# Altium PCB Main.PcbDoc (part 3 of 3) (continued)
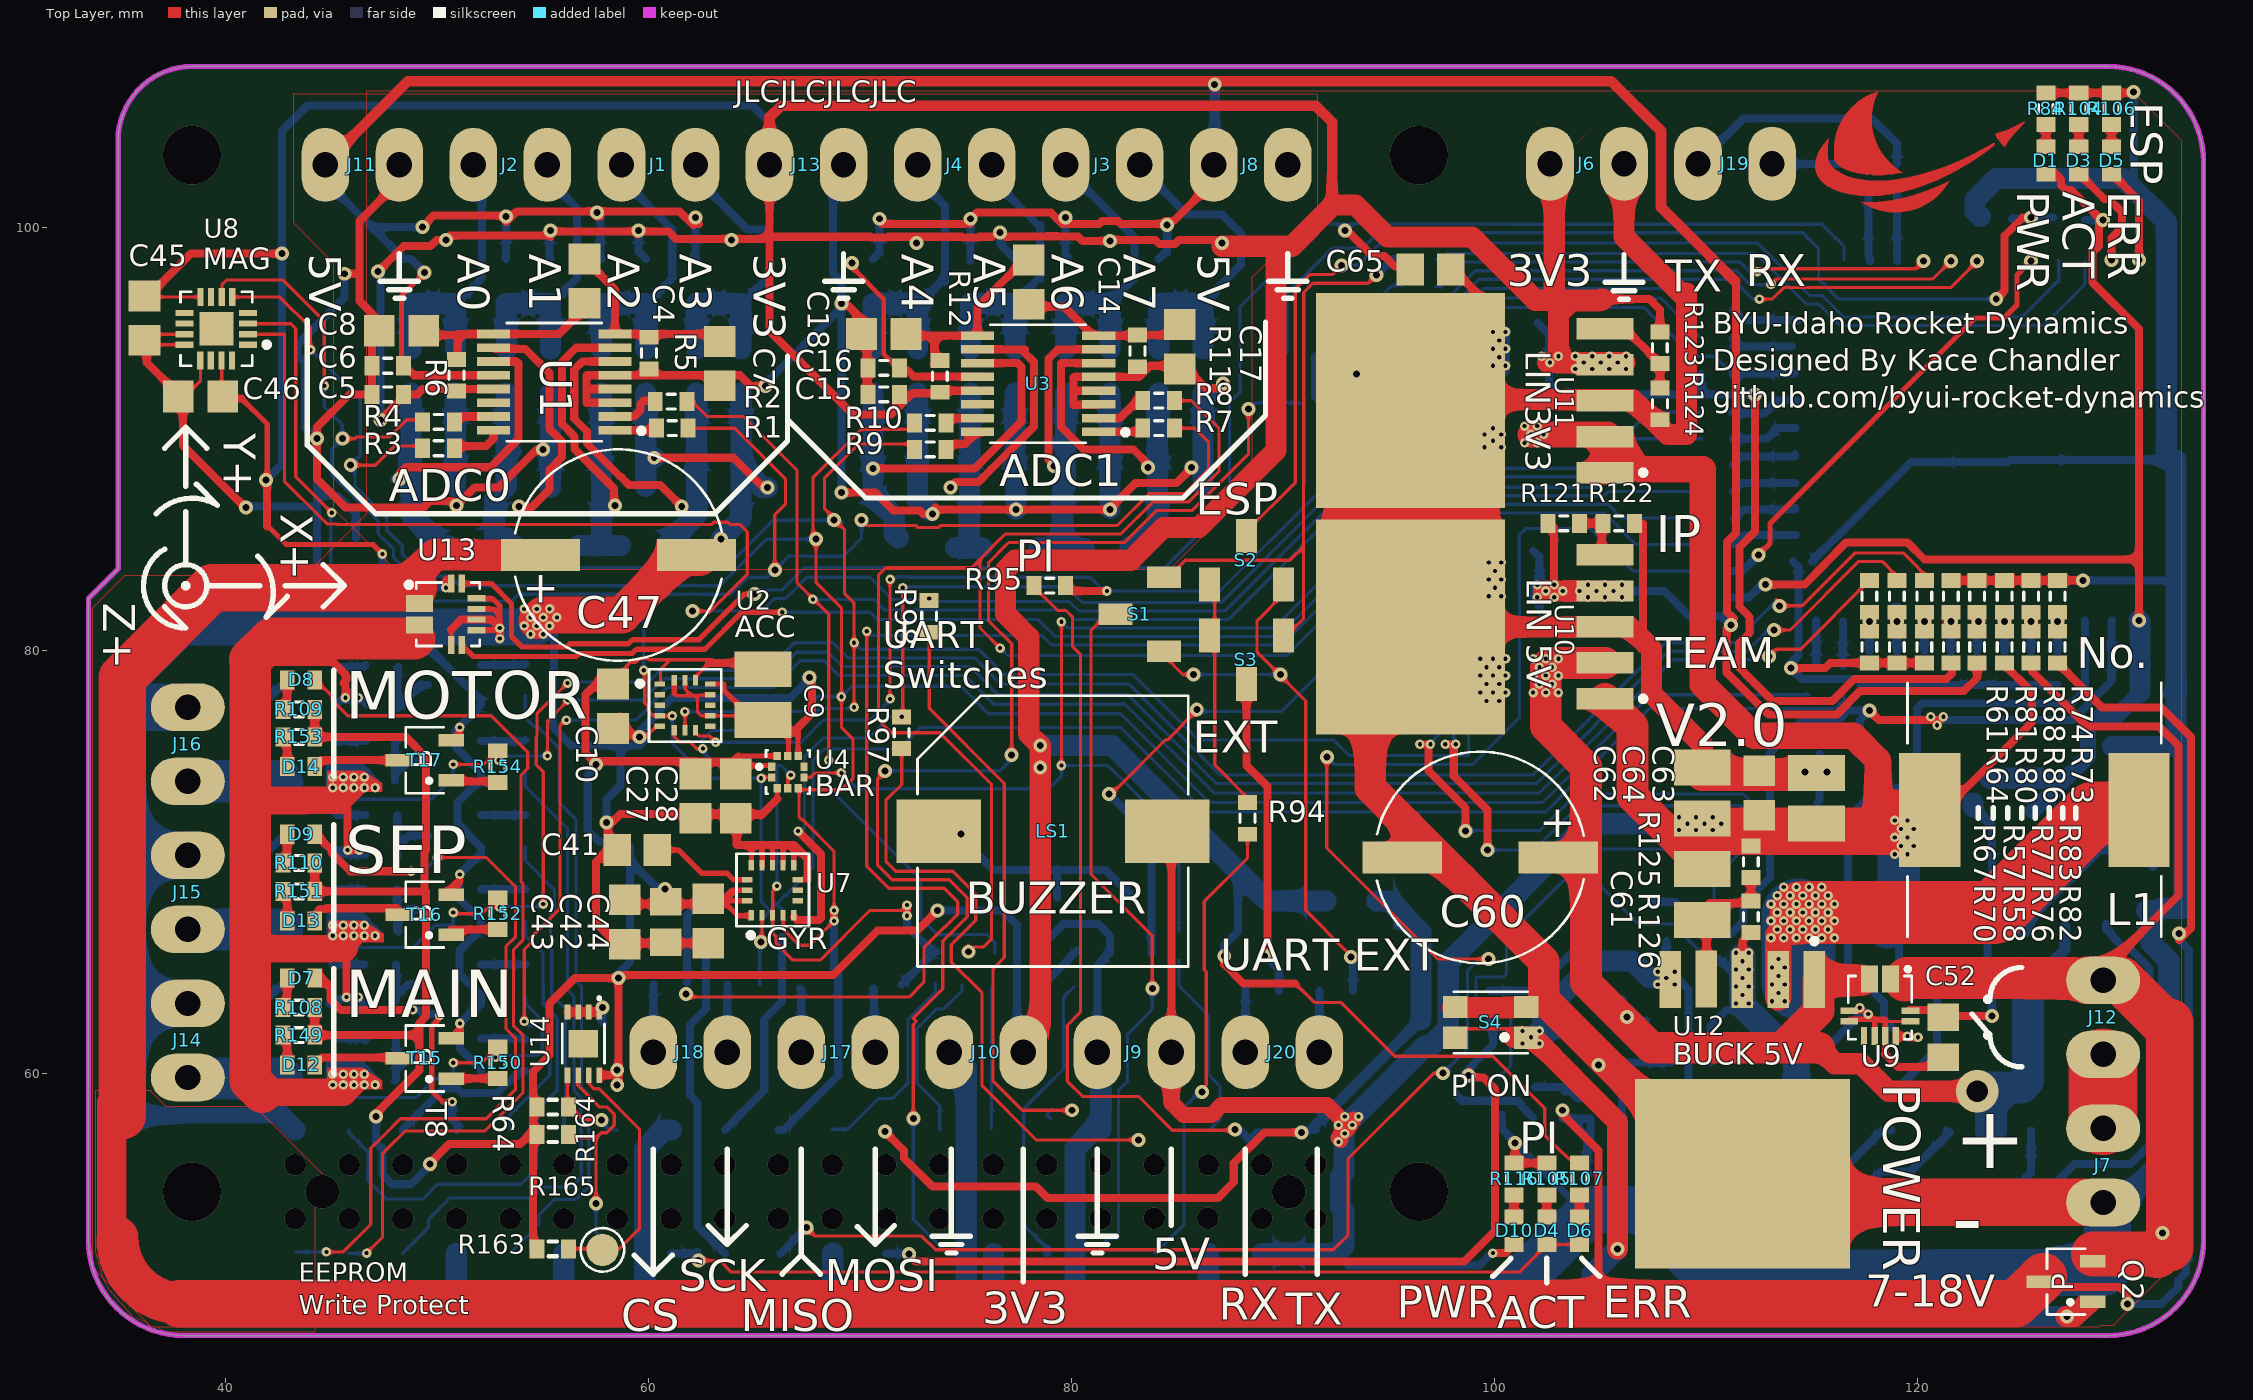
[diagram p0: Top Layer view]
## Nets (pads, with @x,y where several pads share a name; then routed paths per layer and width w, separated by ;. In a path a pad name is that pad's centre, name@x,y a point inside that pad or via, vN(x,y) a via of type N, cw(c..) or ccw(c..) an arc to the next point about the centre after c; other vN are vias at no path point) (continued)
NetR75_2: R75.2 S1.2 S3.1 | length 29.4
  Top Layer w0.152: S1.2@84.4,83.3 85.35,84.25 90.3,84.25 90.95,84.9 ; S3.1@89.95,80.5 90.95,81.5 90.95,84.9 ; v2@94.425,97.725 94.375,97.725 94,97.35 91.39,97.35 90.955,96.914 90.955,87.761 90.95,87.756 90.95,84.9
  Bottom Layer w0.381: v2(94.4,97.75) 95.15,98.5 R75.2@95.65,98.5
NetR78_1: R78.1 U6.20 | length 3.2
  Bottom Layer w0.381: R78.1@111.25,90 112.85,90 113.35,90.5 U6.20@114.2,90.5
NetR79_1: R79.1 U6.21 | length 3.3
  Bottom Layer w0.381: R79.1@111.2,91.25 R79.1@111.25,91.2 ; R79.1@111.3,91.2 112.75,91.2 113.35,91.8 U6.21@114.25,91.8
NetR79_2: R79.2 R103.1 R158.1 | length 80.7
  Top Layer w0.152: v2@61.7,63.8 v2(61.75,63.75) 61.9,63.6 72.3,63.6 73,64.3 73,65.926 73.97,66.897 73.983,66.897 74.6,67.514 74.6,68.1 73.956,68.744 71.337,68.744 70.3,69.781 v1(70.3,80.9)
  Bottom Layer w0.152: v1(70.3,80.9) 70.5,80.7 78.3,80.7 78.58,80.7 79.033,80.247 89.917,80.247 98.27,88.6 104.63,88.6 107.28,91.25 R79.2@109.75,91.25
  Bottom Layer w0.381: R158.1@61.8,64.3 61.8,67.45 R103.1@62.5,68.15
NetR87_1: R87.1 U6.33 | length 21.6
  Top Layer w0.25: v2(112.45,84.5) 113,85.05 113,86 122.706,95.706 124.07,95.706 124.684,96.32 124.684,97.734 v2(125.35,98.4)
  Bottom Layer w0.381: R87.1@111.25,83.75 111.7,83.75 v2(112.45,84.5)
NetR89_1: R89.1 R90.2 T5.3 | length 4.2
  Bottom Layer w0.381: T5.3@123.655,54.2 124.25,54.2 125.35,55.3 R90.2@125.35,57.3
NetR91_1: R91.1 R92.1 T6.3 | length 6
  Bottom Layer w0.381: T6.3@117,54.1 118.25,55.35 R92.1@118.7,55.35 119.65,55.35 R91.1@121.35,57.05 ; R91.1@121.35,57.3 R91.1@121.35,57.05 ; R91.1@121.5,57.2 R91.1@121.35,57.05
NetR92_2: R92.2 T5.1 | length 2.2
  Bottom Layer w0.381: R92.2@119.1,53.55 119.4,53.25 T5.1@121.145,53.25
NetR93_2: R93.2 T6.1 | length 6.3
  Bottom Layer w0.381: T6.1@114.4,53.1 114.4,53.4 118.3,57.3 R93.2@118.75,57.3
NetR94_1: R94.1 S2.1 S3.2 | length 10.2
  Top Layer w0.152: S2.1@86.7,82.6 86.75,82.55 86.75,74.576 R94.1@88.3,73.026
NetR113_1: R113.1 R118.1 R119.2 | length 3.4
  Bottom Layer w0.381: 101.9,59.35 103.25,59.35 103.3,59.4 ; R113.1@103.2,59.3 103.3,59.2 103.3,59.15 103.306,59.144 103.57,59.144 103.914,58.8 R118.1@104.9,58.8
NetR117_1: R117.1 T7.1 | length 49.9
  Top Layer w0.381: v1(96.45,75.55) 96.85,75.55 96.85,74.3 98.6,72.55 v2@98.6,71.5
  Bottom Layer w0.152: v1(96.45,75.55) 96.903,75.55 97.35,75.997 97.35,85.45 99.2,87.3 105.15,87.3 105.35,87.5 R117.1@109.75,87.5 ; v2@98.575,71.475 102.118,71.475 103.843,73.2 111.75,73.2 112.5,72.45 112.5,71.35 110.355,69.205 T7.1@110.355,67.35
  other v1: 96.95,75.55
  other v2: 98.6,71.45
NetR117_2: R117.2 U6.18 | length 3.1
  Bottom Layer w0.381: R117.2@111.25,87.5 111.65,87.9 U6.18@114.2,87.9
NetR119_1: R119.1 T8.3 | length 4.1
  Bottom Layer w0.381: T8.3@98.19,58.95 98.44,58.7 101.043,58.7 101.137,58.606 101.15,58.606 101.249,58.508 101.249,58.451 R119.1@101.8,57.9
NetR120_1: R120.1 U6.17 | length 3.1
  Bottom Layer w0.381: R120.1@111.3,86.2 111.756,86.656 114.19,86.656 U6.17@114.19,86.725
NetR120_2: R120.2 T8.1 | length 66.5
  Top Layer w0.381: v1(97.65,75.55) v1@97.95,75.55 ; v1@98.05,75.55 98.05,74.05 99.65,72.45 v2(99.65,70.55)
  Bottom Layer w0.152: v1(97.65,75.55) 97.7,75.55 98.05,75.5 98.05,85.58 99.367,86.897 105.353,86.897 106,86.25 R120.2@109.75,86.25 ; v2(99.65,70.55) 101.85,70.55 102.35,71.05 103.95,72.65 111.6,72.65 112.05,72.2 112.05,71.7 110.95,70.6 104.716,70.6 100.55,66.434 100.55,64.7 100.403,64.553 99.124,64.553 99.1,64.529 99.1,63.271 99.15,63.221 99.15,63.2 99.2,63.15 100.7,63.15 100.75,63.1 100.75,60.35 T8.1@100.35,59.95 ; T8.1@100.2,59.8 T8.1@100.35,59.95 ; T8.1@100.25,59.95 T8.1@100.35,59.95 ; T8.1@100.4,59.95 T8.1@100.35,59.95
  other v1: 98.15,75.55
NetR121_1: R121.1 R122.2 U10.5 | length 2.7
  Top Layer w0.381: R121.1@104.05,86 104.9,86 R122.2@105,85.9 ; U10.5@105,84.4 105.05,84.45 R122.2@105.05,86 ; U10.5@105.3,84.3 U10.5@105.35,84.35
NetR123_1: R123.1 R124.2 U11.5 | length 4.5
  Top Layer w0.381: U11.5@105.2,95.2 U11.5@105.25,95.25 ; U11.5@105.5,95.1 U11.5@105.55,95.15 ; U11.5@105.6,95.15 U11.5@105.95,95.5 ; U11.5@106,95.2 U11.5@106.1,95.1 ; U11.5@106.1,95.3 106.1,95.25 107.7,93.65 R123.1@107.7,93.4 ; R124.2@107.8,92.4 R123.1@107.8,93.55
NetR127_1: R127.1 U6.22 U13.6 | length 75.6
  Top Layer w0.25: U13.6@51.15,80.25 51.7,79.7 56.55,79.7 56.7,79.85 59.197,79.85 59.354,80.006 59.404,80.006 59.444,80.047 62.647,80.047 64.4,81.8 v1(66.3,81.8)
  Bottom Layer w0.152: v1(66.3,81.8) 70.47,81.8 70.82,81.45 78.4,81.45 79.2,80.65 89.75,80.65 94.887,85.787 94.887,85.817 98.85,89.78 98.85,93.675 99.056,93.881 99.056,95.456 99.486,95.886 99.8,96.2 107.05,96.2 109.35,93.9 110.4,93.9 R127.1@111.25,93.05
  Bottom Layer w0.381: R127.1@111.25,93 111.325,93.075 U6.22@114.19,93.075
NetR128_1: R128.1 R130.2 T9.3 | length 3.7
  Bottom Layer w0.381: R130.2@48,59.65 48.05,59.7 R128.1@48.05,61.65 ; R130.2@48.05,60.15 48.6,60.7 T9.3@49.55,60.7
NetR131_2: R131.2 T9.1 | length 2.1
  Bottom Layer w0.381: T9.1@52.06,61.65 54.1,61.65 R131.2@54.15,61.6
NetR132_1: R132.1 R133.2 T10.3 | length 3.6
  Bottom Layer w0.381: R133.2@47.95,63.35 48.05,63.45 R132.1@48.05,65.15 ; R133.2@48.05,63.65 48.6,64.2 T10.3@49.55,64.2
NetR134_2: R134.2 T10.1 | length 2.1
  Bottom Layer w0.381: T10.1@52.06,65.15 R134.2@54.15,65.15
NetR135_1: R135.1 R137.2 T11.3 | length 3.7
  Bottom Layer w0.381: R135.1@48.1,68.7 48.1,67.25 ; R137.2@48.15,66.7 48.1,66.75 48.1,67.25 ; T11.3@49.54,67.75 48.6,67.75 48.1,67.25
NetR138_2: R138.2 T11.1 | length 2.1
  Bottom Layer w0.381: T11.1@52.05,68.7 R138.2@54.15,68.7
NetR139_1: R139.1 R140.2 T12.3 | length 3.7
  Bottom Layer w0.381: R140.2@48.05,70.2 48.1,70.25 R140.2@48.1,70.7 ; R139.1@48.1,72.2 R140.2@48.1,70.7 ; T12.3@49.54,71.25 48.65,71.25 R140.2@48.1,70.7
NetR141_2: R141.2 T12.1 | length 2.1
  Bottom Layer w0.381: T12.1@52.05,72.2 R141.2@54.15,72.2
NetR142_1: R142.1 R144.2 T13.3 | length 3.6
  Bottom Layer w0.381: R144.2@48,73.85 48,75.6 R142.1@48.1,75.7 ; R144.2@48.05,74.2 48.6,74.75 T13.3@49.54,74.75
NetR145_2: R145.2 T13.1 | length 2.1
  Bottom Layer w0.381: T13.1@52.05,75.7 54.1,75.7 R145.2@54.15,75.75
NetR146_1: R146.1 R147.2 T14.3 | length 3.9
  Bottom Layer w0.381: R146.1@48.15,79.2 48.1,79.15 R147.2@48.1,77.4 48.1,77.25 49.25,78.4 49.25,78.35 T14.3@49.54,78.35
NetR148_2: R148.2 T14.1 | length 2.1
  Bottom Layer w0.381: T14.1@52.05,79.3 54.1,79.3 R148.2@54.15,79.35
NetR150_2: R150.2 T15.1 | length 2.2
  Top Layer w0.381: T15.1@50.66,59.75 52.75,59.75 R150.2@52.85,59.65
NetR152_2: R152.2 T16.1 | length 2.2
  Top Layer w0.381: T16.1@50.65,66.8 R152.2@52.85,66.8
NetR154_2: R154.2 T17.1 | length 2.2
  Top Layer w0.381: T17.1@50.667,73.8 52.8,73.8 R154.2@52.85,73.75
NetR159_1: R159.1 U6.28 | length 3.1
  Bottom Layer w0.381: U6.28@119,98.4 119,101.41 R159.1@119,101.5
NetR160_1: R160.1 U6.27 | length 3
  Bottom Layer w0.381: R160.1@117.65,101.41 117.65,98.65 U6.27@117.7,98.6 ; U6.27@117.7,98.4 U6.27@117.73,98.43 ; U6.27@117.73,98.4 U6.27@117.73,98.43 ; U6.27@117.75,98.4 117.75,98.45 U6.27@117.73,98.43
NetR161_1: R161.1 S1.1 S2.2 | length 26.8
  Top Layer w0.152: S1.1@84.35,79.75 85.25,78.85 v2(85.75,78.85) ; S2.2@90,82.65 88.75,81.4 88.75,79.9 91.05,77.6 91.05,67.7 92.95,65.8
  Bottom Layer w0.152: v2@85.7,78.85 v2(89.85,78.85)
  Bottom Layer w0.381: v2@93.1,65.6 v2(93.2,65.5) 93.29,65.41 R161.1@93.29,63.9
NetR162_1: R162.1 S3.3 | length 15.4
  Top Layer w0.381: S3.3@88.2,78.5 88.25,78.45 S3.3@88.25,78.4 88.25,74.55 89.25,73.55 89.25,65.7 v2(89.1,65.55)
  Bottom Layer w0.381: v2@89.15,65.55 89.79,64.91 R162.1@89.79,63.9
NetR163_1: pad.3 R163.1 U14.7 | length 12.2
  Top Layer w0.152: R163.1@56.25,51.6 56.35,51.7 58.6,51.7 59.55,52.65 59.55,57.365 57.644,59.271 57.399,59.271 57.15,59.52 U14.7@57.15,59.905 U14.7@57.15,59.95
NetS2_3: S2.3 U6.34 | length 53.4
  Top Layer w0.152: S2.3@88.25,84.85 88.25,84.95 88.25,85.626 90.552,87.928 90.552,97.002 ; 90.55,97 90.552,97.002 ; v2(92.75,98.2) 92.313,97.763 91.233,97.763 90.552,97.081 90.552,97.002
  Bottom Layer w0.152: v2(92.75,98.2) 93.514,98.2 94.567,99.253 94.953,99.253 95,99.3 95.047,99.253 108.847,99.253 108.85,99.25 112.417,99.25 114.353,97.314 114.353,97.308 114.89,96.771 115.483,96.771 116.501,95.753 124.903,95.753 126.65,97.5 U6.34@126.65,98.45
Pi_3.3V: J5.1 J5.17 JP1.1 | length 38
  Top Layer w0.381: v2(71.15,57.25) 72.05,56.35 72.05,56 73.4,54.65 78.3,54.65 78.85,54.1 86.9,54.1 87.65,54.85 87.65,55.75 89.1,57.2 v2(90.85,57.2)
  Bottom Layer w0.381: v2(71.15,57.25) 71.3,57.25 J5.17@71.35,57.3 ; v2(90.85,57.2) 90.971,57.321 J5.1@91.53,57.321
  Bottom Layer w0.5: J5.1@91.401,57.45 96.5,62.55
  Bottom Layer w1: JP1.1@94.4,68.15 95,68.15 96.503,66.647 96.503,65.002 96.5,64.998 96.5,62.55
SCL: R1.1 R7.1 R65.1 R102.2 R157.1 U2.4 U4.2 U7.2 U8.3 | length 161.5
  Top Layer w0.152: U8.3@40.9,95.436 43.064,95.436 43.3,95.2 43.3,88.2 v1(45,86.5) ; v1(59.75,79.05) 59.8,79 59.8,77.5 59.775,77.525 59.957,77.343 59.957,77.149 60.206,76.9 60.475,76.9 60.48,76.895 v1(61.105,76.895) ; 62.25,90.5 64.05,90.5 66.45,88.1 66.45,86.9 65.95,86.4 v2(65.95,83.8) ; v1(65.3,73.95) 65.446,73.95 65.496,74 65.499,73.997 U4.2@65.65,73.997 ; v2@65.35,66.2 U7.2@65.35,67.55 ; v2(70.05,86.15) 70.3,85.9 72.614,85.9 72.717,85.797 73.683,85.797 73.786,85.9 81.464,85.9 81.467,85.897 82.147,85.897 83.656,87.406 85.33,87.406 86.45,88.526 86.45,89.85 85.8,90.5 R7.1@84.85,90.5
  Bottom Layer w0.152: v1@44.981,86.481 44.95,86.45 44.95,82.5 45.128,82.322 53.522,82.322 53.847,82.647 59.6,82.647 ; v1@59.75,78.95 v1(59.75,79.05) 59.75,82.197 59.9,82.347 59.6,82.647 ; v1(61.105,76.895) 61.105,75.605 61.1,75.6 62.75,73.95 v1(65.3,73.95) 65.3,68.1 65.7,67.7 ; R157.1@65.24,64.2 v2@65.24,66.09 ; 65.75,67.65 65.725,67.675 ; R102.2@65.95,68.1 R102.2@66.05,68 ; R102.2@66.35,67.7 R102.2@66.05,68 ; v2(70.05,86.15) 70.05,85.3 69.197,84.447 67.567,84.447 67.564,84.45 66.6,84.45 v2(65.95,83.8) 65.603,83.453 64.667,83.453 63.861,82.647 62.389,82.647 62.383,82.653 61.717,82.653 61.711,82.647 59.6,82.647 ; R65.1@116.5,77.85 116.5,77.65 116.137,77.287 116.132,77.287 116.092,77.247 114.624,77.247 114.621,77.25 107.3,77.25 103.568,73.518 102.4,72.35 86.3,72.35 82.45,76.2 82.3,76.35 72.85,76.35 71.828,75.328 68.281,75.328 67.753,74.8 67.753,69.703 R102.2@66.05,68 ; v2@65.175,66.275 65.3,66.4 65.3,67.25 65.725,67.675 ; v2@65.175,66.275 65.1,66.2 v2@65.24,66.2 ; v2@65.175,66.275 65.24,66.21 v2@65.24,66.2 ; v2@65.24,66.09 v2@65.24,66.2 ; v2@65.24,66.09 65.3,66.15 v2(65.3,66.2) v2@65.24,66.2 ; 65.7,67.7 65.725,67.675 ; 65.7,67.7 65.75,67.7 ; 65.725,67.675 65.75,67.7 ; 65.75,67.7 R102.2@66.05,68
SQB_PWR-: Q4.2 Q5.2 Q6.2 Q7.2 Q8.2 Q9.2 R130.1 R133.1 R137.1 R140.1 R144.1 R147.1 U13.3 | length 69.6
  Top Layer w0.381: 41.556,79.444 45.056,79.444 45.7,78.8 45.65,78.75 45.75,78.65 45.55,78.45 45.65,78.35 v1(45.65,77.75) v1@45.75,77.85 ; 45.3,72.9 45.75,72.45 v1@45.75,70.65 ; 45.6,65.9 45.7,65.8 v1(45.7,63.6) v1(46.25,63.6) ; v1(45.75,70.55) v1@45.75,70.65 ; v1@45.75,77.85 45.9,78 46.15,77.75 v1(46.25,77.75) ; v1(46.3,70.55) 45.95,70.55 45.9,70.5 v1@45.75,70.65
  Top Layer w1.25: 45.3,65.9 v1@46,66.6 ; 45.3,72.9 v1@46,73.6 ; 45.55,59.1 v1@46,59.55
  Top Layer w1.3: 41.15,72.9 45.3,72.9 ; 41.7,59.1 42.193,59.1 42.197,59.097 45.547,59.097 45.55,59.1 ; 42.1,65.9 42.193,65.9 42.197,65.897 44.903,65.897 44.907,65.9 ; 45.3,65.9 45.6,65.9
  Top Layer w1.95: 41.15,79.55 41.15,72.9 41.15,59.65 41.7,59.1
  Top Layer w2: 41.15,79.55 42.15,80.55 48.9,80.55
  Bottom Layer w0.381: Q5.2@44.9,63.3 44.95,63.25 45.155,63.25 45.405,63.5 46.3,63.5 R133.1@46.55,63.25 ; v1@45,60.05 45.16,60.21 ; Q6.2@45,66.6 45.5,66.6 45.5,67.1 45,67.1 45.16,67.26 45.16,67.75 46.1,67.75 R137.1@46.65,67.2 ; v1@45,74.1 45.16,74.26 ; Q7.2@45.1,70.35 R140.1@46.6,70.35 ; 45.15,60.7 46.1,60.7 R130.1@46.65,60.15 ; 45.16,70.6 45.26,70.5 45.31,70.55 v1(45.75,70.55) v1(46.3,70.55) 46.45,70.55 46.5,70.5 R140.1@46.65,70.65 ; 45.16,74.75 46.1,74.75 R144.1@46.65,74.2 ; Q9.2@45.2,77.4 45.45,77.65 46.45,77.65 R147.1@46.65,77.45
  other v1: 45.05,59.45 45.55,59.45 46.05,59.45 46.55,59.45 47.05,59.45 45.05,59.95 45.55,59.95 46.05,59.95 46.55,59.95 45.05,66.5 45.55,66.5 46.05,66.5 46.55,66.5 47.05,66.5 45.05,67 45.55,67 46.05,67 46.55,67 45.05,73.5 45.55,73.5 46.05,73.5 46.55,73.5 47.05,73.5 45.05,74 45.55,74 46.05,74 46.55,74
VBAT: J12.1 Q2.2 R82.2 R111.2 U9.1 | length 50.1
  Top Layer w0.381: R82.2@125.4,79.4 125.4,79 128,76.4 131.4,76.4 132.316,75.484 132.316,68.416 128.3,64.4 128.29,64.39 J12.1@127.9,64.39
  Top Layer w2: 119.376,64.39 119.489,64.503 127.387,64.503 J12.1@127.5,64.39
  Top Layer w2.125: 128.3,51.45 131.3,51.45
  Top Layer w2.25: J12.1@127.95,64.4 128.3,64.4 129.6,64.4 131.6,62.4 ; 131.3,51.45 131.6,51.75 ; 131.9,51.75 131.9,62.4
  Bottom Layer w0.381: R111.2@131,51.35 131,51.95 131.5,52.45 v2(131.55,52.45)
VBAT_Switched: C47.2 C49.2 Q2.3 R73.2 R112.1 R113.2 U13.1 | length 202.8
  Top Layer w0.381: v2(103.2,58.25) 103.2,58.05 104.9,56.35 104.9,49.1 ; 125.05,50.2 125.752,50.2 126.052,49.9 129.552,49.9 129.9,49.552 v2(129.9,49.1) ; R73.2@126.6,79.4 128.7,77.3 131.5,77.3 132.9,75.9 132.9,66.854 132.35,66.304 v2(132.35,66.6)
  Top Layer w1.4: 34.6,52.15 34.6,58.6
  Top Layer w1.5: 48.3,82.95 49.85,84.5 50.077,84.5 50.105,84.528 51.695,84.528 51.733,84.49 54.902,84.49 C47.2@54.912,84.5
  Top Layer w2: 34.871,52.222 ccw(c37.993,52.222) 37.993,49.1
  Top Layer w2.25: 35.1,58 35.1,78.7 39.35,82.95 48.3,82.95 48.847,82.95 48.847,83.1 ; 37.8,49.1 104.9,49.1 124.6,49.1 125.724,50.172 125.752,50.2 Q2.3@125.931,50.37
  Bottom Layer w0.381: R113.2@103.2,57.85 103.5,57.85 ; v2(103.2,58.25) 103.2,58.15 103.5,57.85 ; C49.2@104.35,57.05 C49.2@104.35,57 ; R112.1@104.5,55.25 104.35,55.4 C49.2@104.35,57 ; C49.2@104.5,56.85 C49.2@104.35,57 ; C49.2@104.5,56.9 104.51,56.91 104.51,57.85 103.5,57.85 ; v2(129.9,49.1) 131.511,49.1 132.303,49.893 132.303,50.212 132.671,50.58 132.671,51.099 132.8,51.228 132.8,65.85 132.35,66.3 v2(132.35,66.6) ; 103.5,57.85 C49.2@104.35,57
Vdigital: C48.2 C56.2 C60.2 Q1.2 R90.1 R91.2 R114.2 U9.3 U10.2 U12.1 | length 60.7
  Top Layer w1: 115.321,61.2 116.071,60.45 117.3,60.45 118.6,59.15 v6(122.8,59.15)
  Top Layer w1.5: U10.2@105.2,79.4 102.6,79.4 102.4,79.2 v1(102.4,78.8) v1(102.4,78) 102.4,76.4 104.3,74.5 104.3,64.3 107.4,61.2 113.5,61.2 ; U12.1@115.29,64.4 U12.1@115.3,64.4 ; 115.321,61.2 113.55,61.2 115.3,62.95 U12.1@115.3,64.4 ; U9.3@117.325,64.4 U12.1@115.3,64.4
  Bottom Layer w0.381: 106,63.5 106.04,63.46 C48.2@106.04,62.14 ; C48.2@106.04,61.9 C48.2@106.04,62.14 ; C48.2@107.15,62.5 106.4,62.5 C48.2@106.04,62.14
  Bottom Layer w0.5: 125.2,64.1 126.95,65.85 Q1.2@126.95,66.795 Q1.2@126.95,66.9
  Bottom Layer w1.5: v6@122.75,59.15 122.925,59.325 124.925,59.325 125.2,59.6 125.2,64.1 ; R91.2@123.45,57.3 123.45,58.5 124.05,59.1 124.05,59.15
  other v1: 101.8,78 103,78 102.1,78.4 102.7,78.4 101.8,78.8 103,78.8 102.1,79.2 102.7,79.2 101.8,79.6 102.4,79.6 103,79.6
  other v2: 106.25,62.65
pads on no net: U1.14 U2.2 U2.3 U2.9 U2.11 U3.14 U4.7 U6.32 U7.6 U7.7 U8.1 U8.4 U8.7 U8.9 U8.10 U8.14 U8.16 U8.17 U9.7 U14.9
copper on no net:
  other v3: 43.275,53.125 45.825,53.125 48.35,53.125 50.9,53.125 53.45,53.125 55.975,53.125 58.5,53.125 61.05,53.125 63.575,53.125 66.125,53.125 68.675,53.125 71.2,53.125 73.75,53.125 76.275,53.125 78.8,53.125 81.35,53.125 88.975,53.125 91.525,53.125 83.9,53.15 86.425,53.15 43.275,55.675 45.825,55.675 48.35,55.675 50.9,55.675 53.45,55.675 55.975,55.675 58.5,55.675 61.05,55.675 63.575,55.675 66.125,55.675 68.675,55.675 71.2,55.675 73.75,55.675 76.275,55.675 78.8,55.675 81.35,55.675 83.9,55.675 86.45,55.675 88.975,55.675 91.525,55.675
  other v4: 38.4,54.4 96.4,54.4 38.4,103.4 96.4,103.4
  other v5: 44.55,54.4 90.25,54.4

## Polygon pours and split planes (outlines as drawn)
GND on Bottom Layer "Bottom Layer-No Net 1" (solid, remove dead copper, shelved, pour order 36): 36.5,48 33.7,50.8 33.7,82 35.2,83.5 35.2,83.55 43.75,83.55 46.65,86.45 46.65,106.45 130.1,106.45 132.45,104.1 132.45,51.3 129.25,48.1 129.25,48.05 128.6,48.05 128.55,48
GND on Bottom Layer "ADC_GND" (solid, remove dead copper, shelved, pour order 35): 43.2,106.3 43.4,106.3 91.6,106.3 91.6,100.7 88.5,97.6 88.5,87.7 84.6,83.8 48,83.8 45.1,86.7 45.1,98.3 43.2,100.2
Vdigital on Bottom Layer "Bottom Layer-Vdigital" (solid, shelved, pour order 32): 128.1,67.2 128.1,66.173 125.972,64.1 124.8,64.1 124.45,64.1 124.45,64.55 127.1,67.2 127.9,67.2
no net on Bottom Layer "Bottom Layer-No Net 3" (solid, shelved, pour order 38): 117.15,80.5
no net on Bottom Layer "Bottom Layer-No Net" (solid, remove dead copper, shelved, pour order 37): 34.25,49.45
GND on Top Layer "Top Layer-GND" (solid, remove dead copper, shelved, pour order 34): 36.5,48 33.7,50.8 33.7,82 35.2,83.5 35.2,83.55 43.75,83.55 46.65,86.45 46.65,106.45 130.1,106.45 132.45,104.1 132.45,51.3 129.25,48.1 129.25,48.05 128.6,48.05 128.55,48
VBAT_Switched on Top Layer "Top Layer-VBAT_Switched" (solid, shelved, pour order 31): 33.85,59.2 36.45,59.2 36.45,59.15 37.15,58.45 41.35,58.45 44.65,55.15 44.2,54.7 44.2,47.75 37.05,47.75 36.8,48 36.45,48 36.2,48.25 35.675,48.425 35.55,48.55 34.5,49.75 34.225,50.225 33.85,51.55
GND on Top Layer "ADC_GND" (solid, remove dead copper, shelved, pour order 33): 43.2,106.3 43.8,106.3 91.6,106.3 91.6,100.7 88.5,97.6 88.5,87.7 84.6,83.8 48,83.8 45.1,86.7 45.1,86.9 45.1,98.3 44.3,99.1 43.2,100.2
no net on Top Layer "Top Layer-No Net" (solid, shelved, pour order 44): 34.15,50

## Keep-outs
Keep-Out Layer:
  the board outline again, w0.254

## Other copper
Top Layer:
  pour cut-out: 93.2,103.4 ccw(c96.4,103.4) 96.4,100.2 ccw(c96.4,103.4) 99.6,103.4 ccw(c96.4,103.4) 96.4,106.6 ccw(c96.4,103.4)
  pour cut-out: 35.2,54.4 ccw(c38.4,54.4) 38.4,51.2 ccw(c38.4,54.4) 41.6,54.4 ccw(c38.4,54.4) 38.4,57.6 ccw(c38.4,54.4)
  pour cut-out: 114.55,107 114.5,106.95 114.5,98.3 123.2,98.3 125.75,100.85 125.5,101.1 125.5,106.9 125.2,106.9 122.55,107.1
  pour cut-out: 123.45,100.5
  region: 927 vertices and 0 holes, not listed, extent 116.033,102.464 119.267,106.398
  region: 1581 vertices and 0 holes, not listed, extent 115.138,101.481 123.635,104.183
  region: 449 vertices and 0 holes, not listed, extent 123.661,103.82 125.061,104.989
  region: 633 vertices and 0 holes, not listed, extent 117.336,100.71 121.455,102.163
  region: 40.9,79.4
  region: 41.062,94.942
  region: 74.05,88.7
  region net SQB_PWR-: 44.8,60.25 46.5,60.25 47.4,59.65 47.4,59.25 44.9,59.25 44.8,59.35
  region net SQB_PWR-: 44.8,74.3 46.5,74.3 47.4,73.7 47.4,73.3 44.9,73.3 44.8,73.4
  region net SQB_PWR-: 44.85,67.2 46.55,67.2 47.45,66.6 47.45,66.2 44.95,66.2 44.85,66.3
Bottom Layer:
  pour cut-out: 35.2,54.4 ccw(c38.4,54.4) 38.4,51.2 ccw(c38.4,54.4) 41.6,54.4 ccw(c38.4,54.4) 38.4,57.6 ccw(c38.4,54.4)
  pour cut-out: 93.2,54.4 ccw(c96.4,54.4) 96.4,51.2 ccw(c96.4,54.4) 99.6,54.4 ccw(c96.4,54.4) 96.4,57.6 ccw(c96.4,54.4)
  pour cut-out: 93.2,103.4 ccw(c96.4,103.4) 96.4,100.2 ccw(c96.4,103.4) 99.6,103.4 ccw(c96.4,103.4) 96.4,106.6 ccw(c96.4,103.4)
  pour cut-out: 35.2,103.4 ccw(c38.4,103.4) 38.4,100.2 ccw(c38.4,103.4) 41.6,103.4 ccw(c38.4,103.4) 38.4,106.6 ccw(c38.4,103.4)
  region net NetR69_1: 71.75,82.85
  region net 3.3V: 42.65,90.75
  region net NetJ2_1: 51.2,97.3
  region net SQB_PWR-: 44.75,60.7 46.35,60.7 47.4,59.65 47.4,59.25 44.9,59.25 44.7,59.45
  region net SQB_PWR-: 44.75,74.75 46.35,74.75 47.4,73.7 47.4,73.3 44.9,73.3 44.7,73.5
  region net SQB_PWR-: 44.8,67.65 46.4,67.65 47.45,66.6 47.45,66.3 44.85,66.3 44.75,66.4

## Silkscreen, mask and mechanical layers (free items; w line width, h text height)
Top Overlay:
  circle w0.127: c57.8,51.65 r1.031
  circle w0.254: c123.3,61.8 r0.1
  circle w0.254: c123.3,63.5 r0.1
  circle w0.254: c38.1,83.05 r1
  circle w0.254: c38.1,83.05 r0.1
  pour cut-out: 107.9,89.7 107.9,86.8 112.3,86.8 112.3,89.7
  lines w0.254: 36.7,86.45 cw(c38.393,84.888) 39.6,86.85 38.6,87.85 ; 37.1,82.05 38.1,81.05 cw(c38.1,83.05) 37.1,84.782 ; 37.1,89.55 38.1,90.55 39.1,89.55 ; 38.1,84.05 38.1,86.55 ; 38.1,87.75 38.1,90.25 ; 39.1,83.05 41.6,83.05 ; 41.5,84.45 cw(c39.938,82.757) 41.9,81.55 ; 41.9,81.55 42.9,82.55 ; 42.8,83.05 45.3,83.05 ; 43.85,95.6 43.85,89.7 47.1,86.45 55.75,86.45 63.1,86.45 66.55,89.9 66.55,93.9 ; 44.6,82.05 45.6,83.05 44.6,84.05 ; 45.1,59.95 45.1,64.95 ; 45.1,66.75 45.1,71.75 ; 45.1,74.05 45.1,79.05 ; 47.3,97.45 49.1,97.45 ; 47.7,97.05 48.7,97.05 ; 48,96.65 48.4,96.65 ; 48.2,97.45 48.2,98.75 ; 48.2,97.7 48.2,98.5 ; 59.3,51.4 60.2,50.5 ; 60.2,56.4 60.2,50.5 ; 61.1,51.4 60.2,50.5 ; 62.8,52.8 63.7,51.9 ; 63.7,56.4 63.7,51.9 ; 64.6,52.8 63.7,51.9 ; 66.3,50.5 67.2,51.4 ; 66.55,93.85 66.55,90.9 70.25,87.2 77.85,87.2 85.25,87.2 89.15,91.1 89.15,95.5 ; 67.2,56.4 67.2,51.4 ; 68.1,50.5 67.2,51.4 ; 68.3,97.45 70.1,97.45 ; 68.7,97.05 69.7,97.05 ; 69,96.65 69.4,96.65 ; 69.2,97.45 69.2,98.75 ; 69.2,97.7 69.2,98.5 ; 69.85,52.75 70,52.6 ; 70.7,56.4 70.7,51.9 ; 71.6,52.8 70.7,51.9 ; 73.4,52.3 75.2,52.3 ; 73.8,51.9 74.8,51.9 ; 74.1,51.5 74.5,51.5 ; 74.3,52.3 74.3,56.4 ; 77.7,50.15 77.7,56.4 ; 80.3,52.3 82.1,52.3 ; 80.7,51.9 81.7,51.9 ; 81,51.5 81.4,51.5 ; 81.2,52.3 81.2,56.4 ; 84.7,52.8 84.7,56.4 ; 88.2,50.5 88.2,52.1 88.2,56.4 ; 89.3,97.45 91.1,97.45 ; 89.7,97.05 90.7,97.05 ; 90,96.65 90.4,96.65 ; 90.2,97.45 90.2,98.75 ; 91.6,50.5 91.6,56.4 ; 99.9,50.4 100.75,51.25 ; 102.45,50.1 102.45,51.25 ; 104.95,50.4 104.1,51.25 ; 105.2,97.4 107,97.4 ; 105.6,97 106.6,97 ; 105.9,96.6 106.3,96.6 ; 106.1,97.4 106.1,98.7 ; 122.55,62.8 123.4,61.8 ccw(c124.903,61.804) 124.903,60.3 ; 122.85,72.05 122.85,72.55 ; 123.397,63.5 cw(c124.9,63.497) 124.9,65 ; 123.55,72.05 123.55,72.55 ; 124.25,72.05 124.25,72.55 ; 124.9,72.05 124.9,72.55 ; 125.55,72.05 125.55,72.55 ; 126.2,72.05 126.2,72.55 ; 126.85,72.05 126.85,72.55 ; 127.45,72.05 127.45,72.55 ; 41.6,83.05 41.6,83.05 ; 70,52.6 70,52.6 ; 70,52.6 70.7,51.9 ; 104.1,51.25 104.1,51.25
  text "ESP" at 130.05,105.9 h1.52 r270
  text "JLCJLCJLCJLC" at 64.05,105.55 h1.75
  text "PWR" at 124.7,101.7 h1.52 r270
  text "ACT" at 126.85,101.7 h1.52 r270
  text "ERR" at 129,101.7 h1.52 r270
  text "5V" at 43.95,98.75 h1.52 r270
  text "A0" at 50.95,98.75 h1.52 r270
  text "A1" at 54.35,98.75 h1.52 r270
  text "A2" at 58.05,98.75 h1.52 r270
  text "A3" at 61.45,98.75 h1.52 r270
  text "3V3" at 64.95,98.75 h1.52 r270
  text "A4" at 71.95,98.75 h1.52 r270
  text "A5" at 75.35,98.75 h1.52 r270
  text "A6" at 79.05,98.75 h1.52 r270
  text "A7" at 82.45,98.75 h1.52 r270
  text "5V" at 85.95,98.75 h1.52 r270
  text "MAG" at 38.9,97.65 h1.75
  text "3V3" at 100.55,97.2 h1.52
  text "RX" at 111.85,97.2 h1.52
  text "TX" at 108.05,96.95 h1.52
  text "LIN3V3" at 101.05,94.15 h2 r270
  text "BYU-Idaho Rocket Dynamics / Designed By Kace Chandler / github.com/byui-rocket-dynamics" at 110.3,91.1 h1.75
  text "Y+" at 39.9,90.25 h1.52 r270
  text "ADC1" at 76.55,87.75 h1.52
  text "ADC0" at 47.7,87.05 h1.52
  text "X+" at 42.6,86.45 h1.52 r270
  text "ESP" at 85.85,86.4 h1.52
  text "IP" at 107.6,84.05 h3
  text "PI" at 77.35,83.7 h1.52
  text "LIN 5V" at 101.1,83.4 h2 r270
  text "Z+" at 34.2,82.25 h1.52 r270
  text "ACC" at 64.05,80.25 h1.75
  text "TEAM" at 107.6,78.65 h2.5
  text "No." at 127.5,78.65 h2.5
  text "UART / Switches" at 71.05,78.2 h1.27
  text "MOTOR" at 45.65,76.75 h2.25
  text "V2.0" at 107.6,75.45 h2
  text "EXT" at 85.7,75.15 h1.52
  text "BAR" at 67.85,72.75 h1.75
  text "SEP" at 45.65,69.45 h2.25
  text "GYR" at 65.55,65.5 h1.75
  text "UART EXT" at 87,64.85 h1.52
  text "MAIN" at 45.65,62.65 h2.25
  text "BUCK 5V" at 108.4,60.05 h1.75
  text "POWER" at 118.35,59.5 h1.75 r270
  text "R64" at 52.25,59 h1.75 r270
  text "T8" at 49.1,58.65 h1.75 r270
  text "PI ON" at 97.9,58.55 h1.75
  text "PI" at 101.15,56.2 h1.52
  text "+" at 121.7,55.5 h3
  text "-" at 121.6,51.7 h3
  text "5V" at 83.8,50.7 h1.52
  text "SCK" at 61.4,49.7 h1.52
  text "MOSI" at 68.3,49.7 h1.52
  text "7-18V" at 117.5,48.95 h1.52
  text "PWR" at 95.35,48.45 h1.52
  text "ERR" at 105.1,48.45 h1.52
  text "RX" at 86.95,48.35 h1.52
  text "EEPROM  / Write Protect" at 43.45,48.3 h1.52
  text "3V3" at 75.75,48.15 h1.52
  text "TX" at 90.1,48.1 h1.52
  text "ACT" at 100.1,47.95 h1.52
  text "CS" at 58.7,47.8 h1.52
  text "MISO" at 64.35,47.8 h1.52
Bottom Overlay:
  drawing of 379 lines, arcs and shapes, not listed
  text "A0" at 53,105.4 h1.52
  text "A1" at 56.25,105.4 h1.52
  text "A2" at 59.95,105.4 h1.52
  text "A3" at 63.5,105.4 h1.52
  text "A4" at 73.95,105.4 h1.52
  text "A5" at 77.45,105.4 h1.52
  text "A6" at 81.05,105.4 h1.52
  text "A7" at 84.35,105.4 h1.52
  text "3.3V" at 46.55,97.75 h1.52
  text "5V" at 40.1,97.7 h1.52
  text "ADC1" at 89.7,84.2 h1.52
  text "ADC0" at 68.3,84.15 h1.52
  text "ADC" at 40.5,79.35 h1.52
  text "Q2" at 56.9,76.45 h1.75 r270
  text "R24" at 58.7,76.45 h1.75 r270
  text "R26" at 60.35,76.45 h1.75 r270
  text "T5" at 62,76.45 h1.75 r270
  text "R27" at 63.7,76.45 h1.75 r270
  text "R23" at 55.15,73.8 h1.75 r270
  text "Q1" at 56.9,73.2 h1.75 r270
  text "R21" at 58.7,73.2 h1.75 r270
  text "R22" at 60.35,73.2 h1.75 r270
  text "T4" at 62,73.2 h1.75 r270
  text "R25" at 63.7,73.2 h1.75 r270
  text "Connect Only If there is no 3.3V Regulator" at 98.35,69.75 h1.75
  text "PI 3.3V" at 98.8,66.75 h1.75
  text "3.3V" at 90.8,66.7 h1.75
  text "+" at 131.2,56.15 h2.29
  text "-" at 131.45,52.65 h2.29
  text "ESP / RST" at 70.15,47.8 h1.52 r270

## Text inside footprints (layer, text, board x,y; h text height)
C47: Top Overlay "+" at 55.762,83.55 h1.52 r180
C60: Top Overlay "+" at 102.1,71.15 h1.52
LS1: Top Overlay "BUZZER" at 74.975,67.55 h1.52
Q1: Bottom Overlay "P" at 128.35,67.35 h1.75
Q2: Top Overlay "P" at 127.7,49.7 h1.75 r90
Q3: Bottom Overlay "N" at 108.8,59.95 h1.75 r180
Q4: Bottom Overlay "P" at 44.7,61.15 h1.75 r90
Q5: Bottom Overlay "P" at 44.7,64.65 h1.75 r90
Q6: Bottom Overlay "P" at 44.7,68.2 h1.75 r90
Q7: Bottom Overlay "P" at 44.7,71.7 h1.75 r90
Q8: Bottom Overlay "P" at 44.695,75.2 h1.75 r90
Q9: Bottom Overlay "P" at 44.7,78.8 h1.75 r90
T1: Bottom Overlay "B" at 79.725,66.35 h1.75
T2: Bottom Overlay "B" at 83.175,66.355 h1.75
T3: Bottom Overlay "B" at 92.05,94.475 h1.75 r90
T4: Bottom Overlay "B" at 105.2,67.825 h1.75 r270
T5: Bottom Overlay "B" at 121.7,53.775 h1.75 r270
T6: Bottom Overlay "B" at 114.955,53.625 h1.75 r270
T7: Bottom Overlay "B" at 109.8,66.725 h1.75 r90
T8: Bottom Overlay "B" at 99.55,59.375 h1.75 r90
T9: Bottom Overlay "B" at 51.505,61.125 h1.75 r90
T10: Bottom Overlay "B" at 51.505,64.625 h1.75 r90
T11: Bottom Overlay "B" at 51.495,68.175 h1.75 r90
T12: Bottom Overlay "B" at 51.495,71.675 h1.75 r90
T13: Bottom Overlay "B" at 51.45,75.225 h1.75 r90
T14: Bottom Overlay "B" at 51.495,78.775 h1.75 r90
T15: Top Overlay "B" at 50.105,60.275 h1.75 r90
T16: Top Overlay "B" at 50.1,67.075 h1.75 r90
T17: Top Overlay "B" at 50.105,74.375 h1.75 r90
U6: Bottom Overlay "ESP32" at 130.1,85.3 h1.52 r270